# Altium PCB FPGA_PCB.PcbDoc (part 1 of 2)
Units mil, origin at the board's own origin, x right, y up, seen from the top; angles counter-clockwise.
Board outline 3305 x 2200 mil, 4 copper layers (Top Layer, GND01, GND02, Bottom Layer), stack 23.756 mil thick; 156 components, 167 nets, 703 pads, 250 vias.
Unrouted connection lines stored in the file: 49.
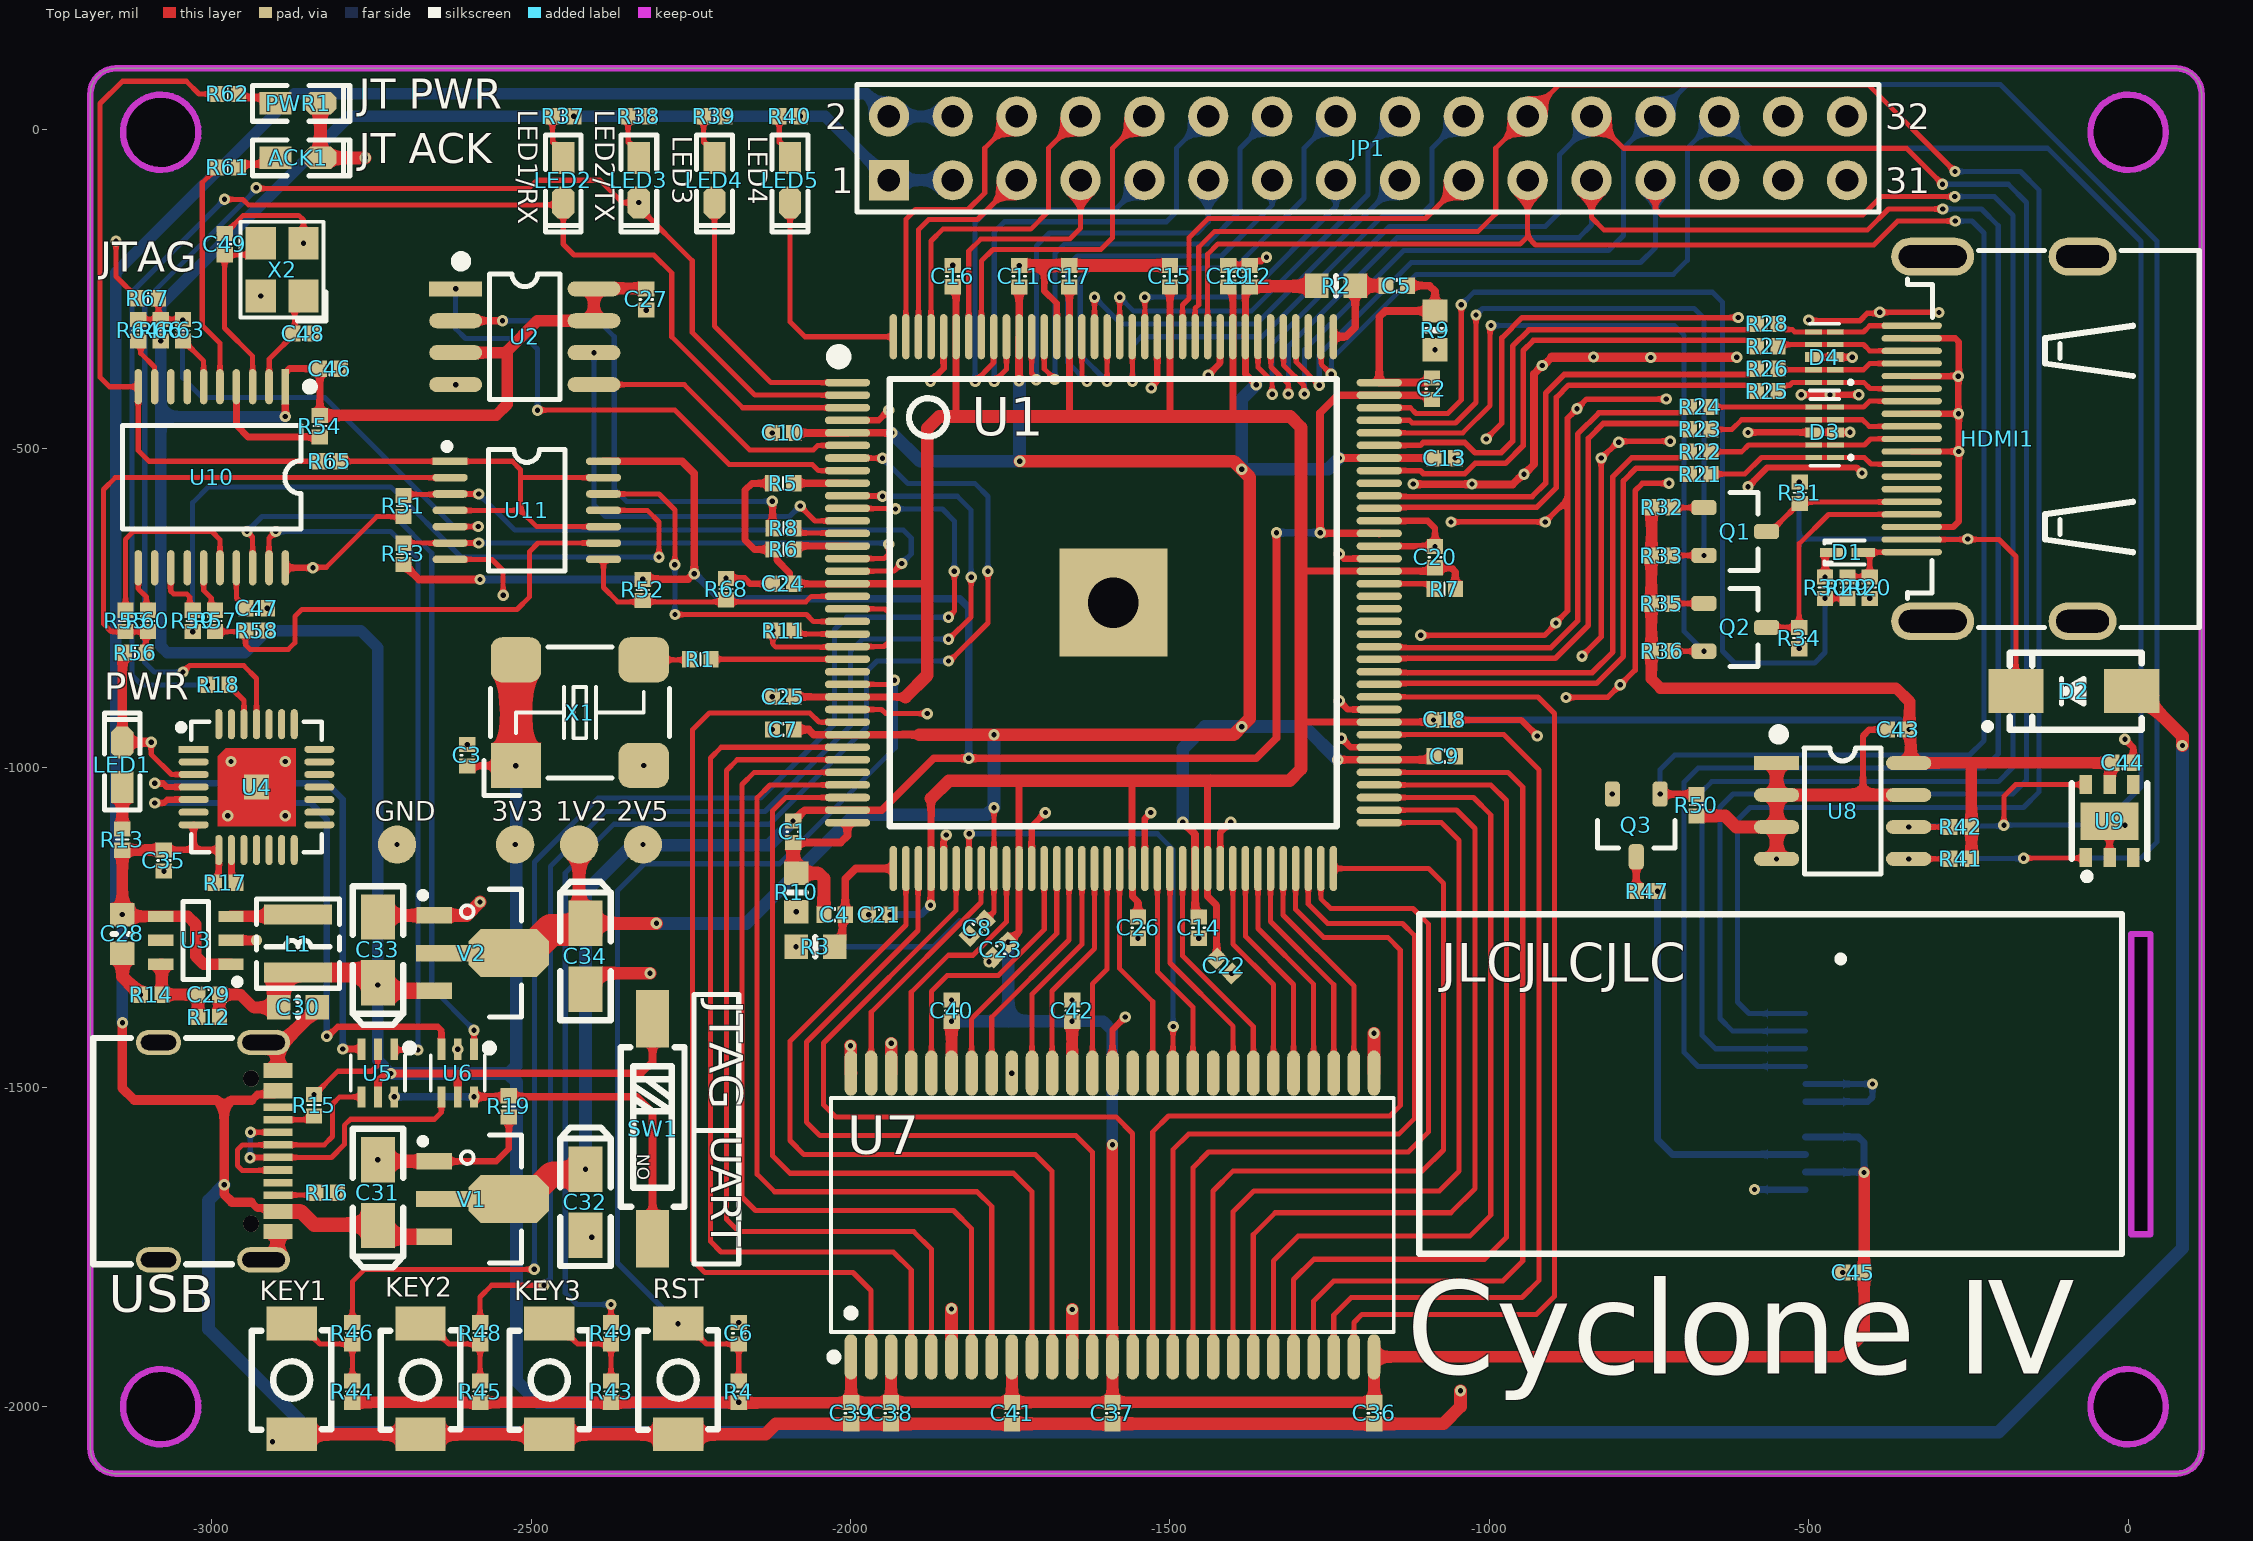
[diagram p0: Top Layer view]
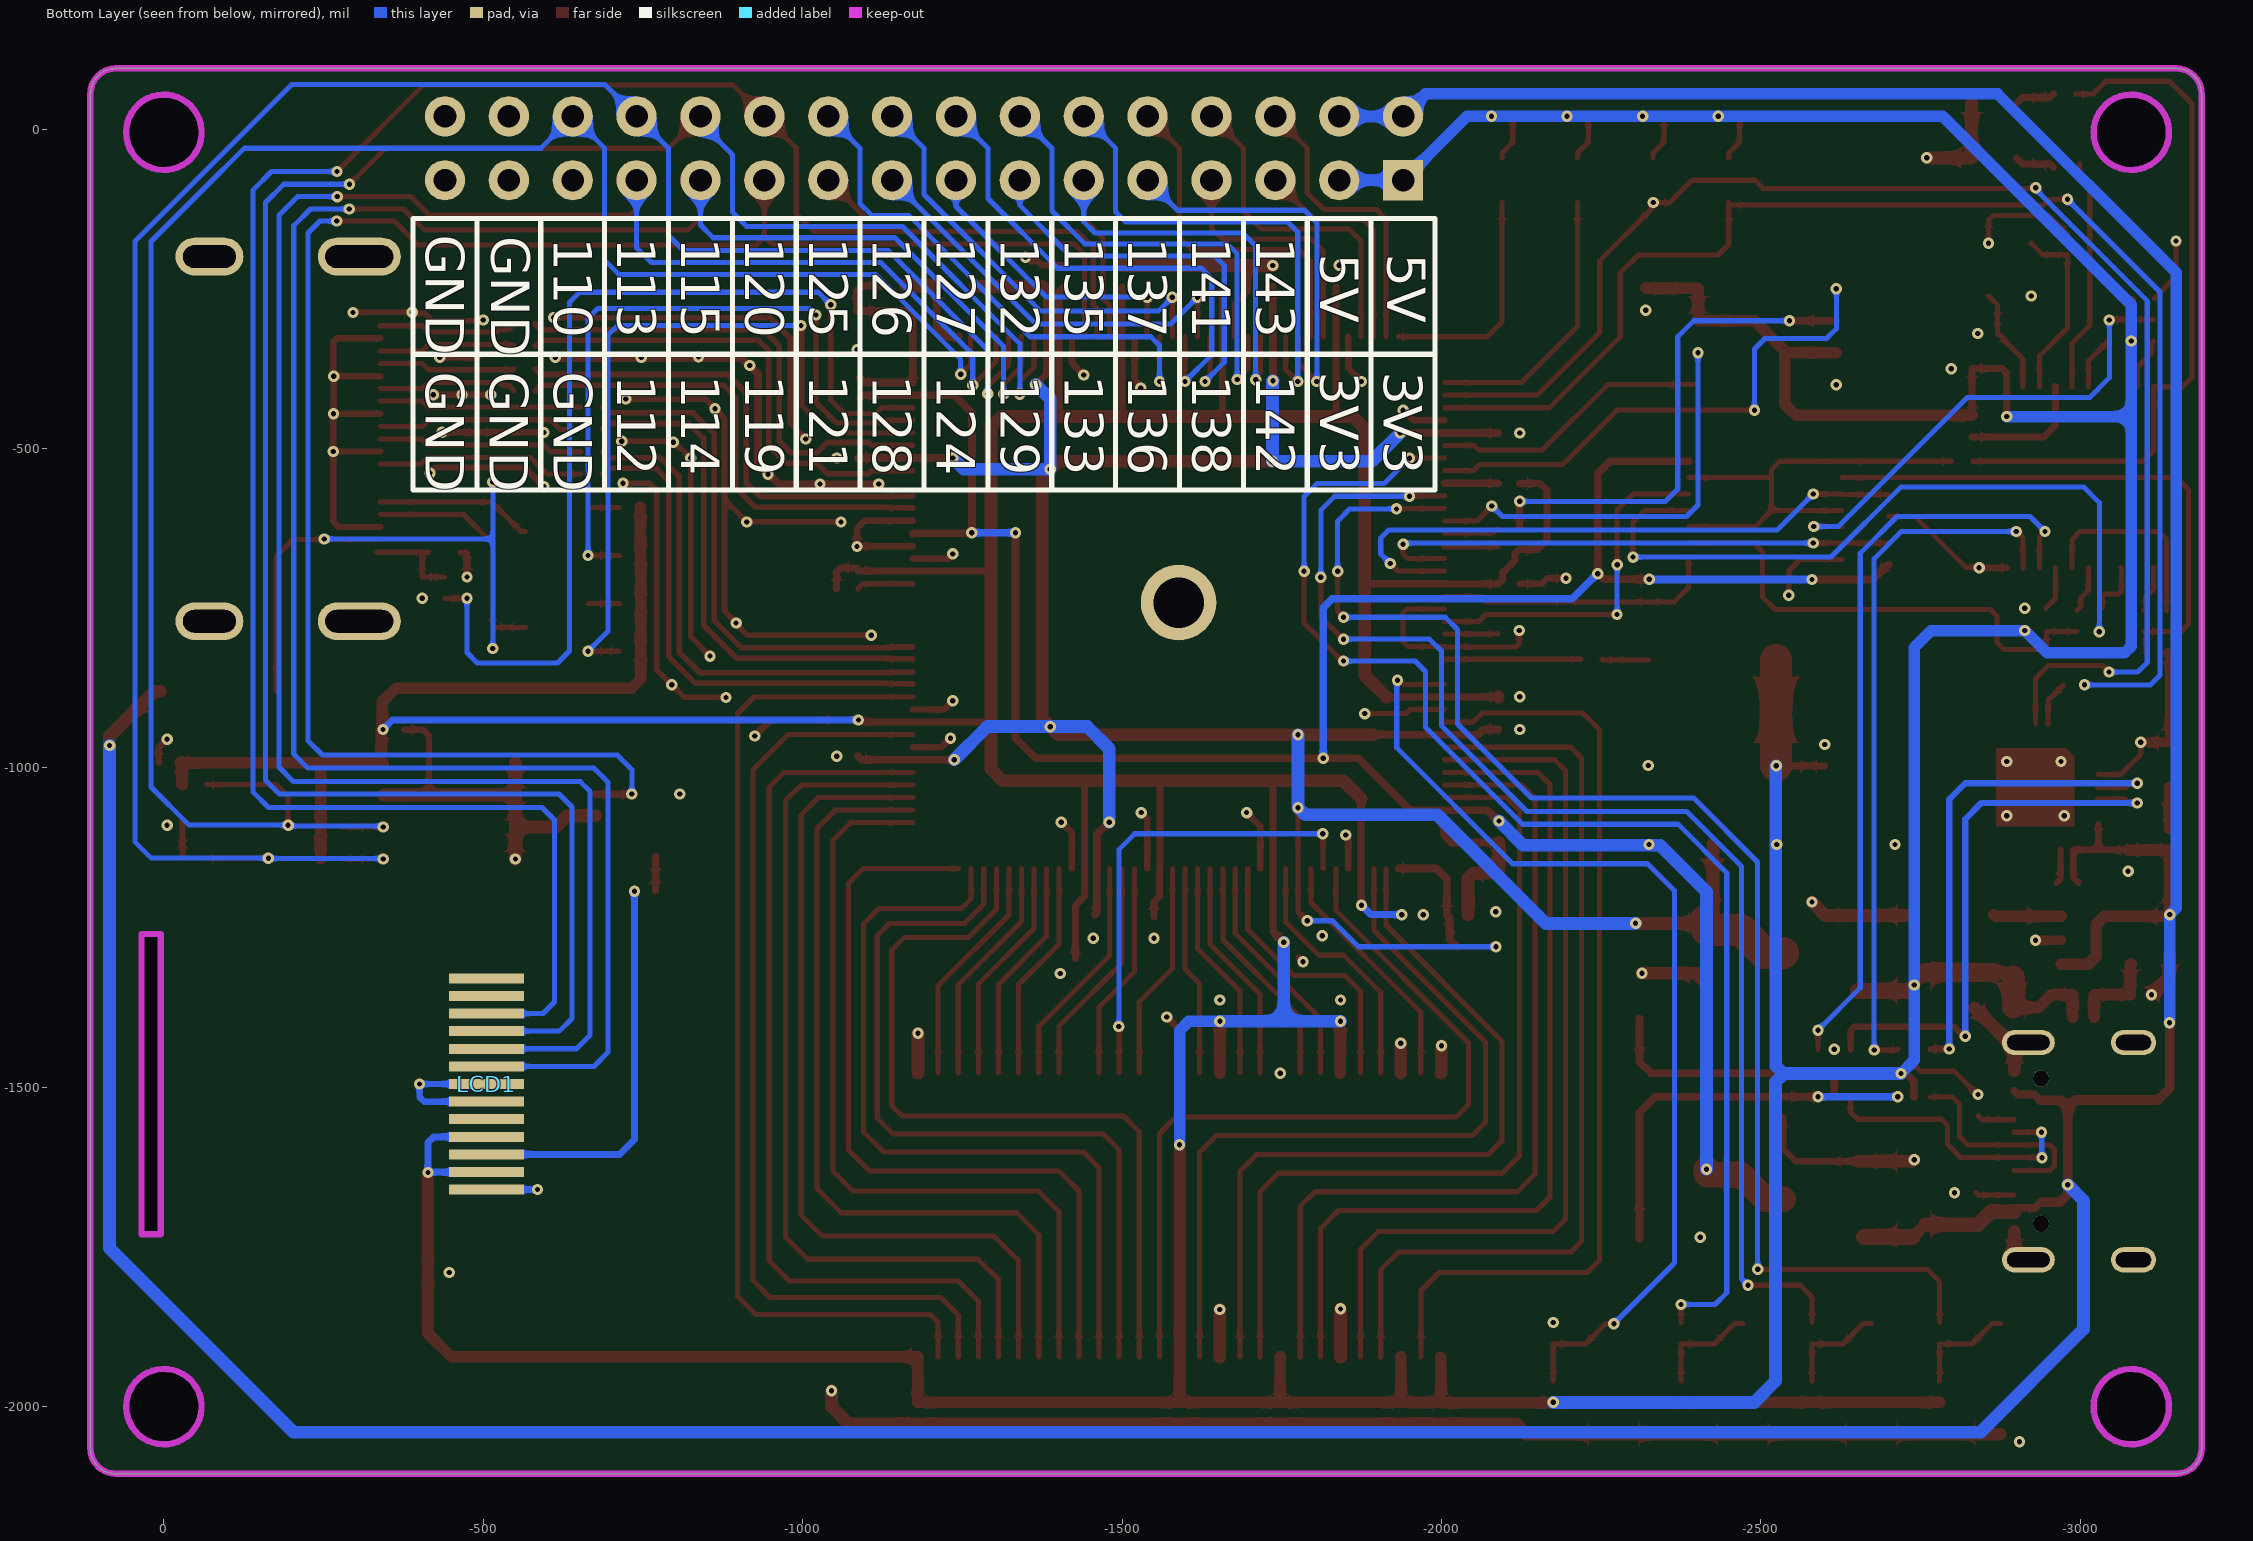
[diagram p1: Bottom Layer view, seen from below]
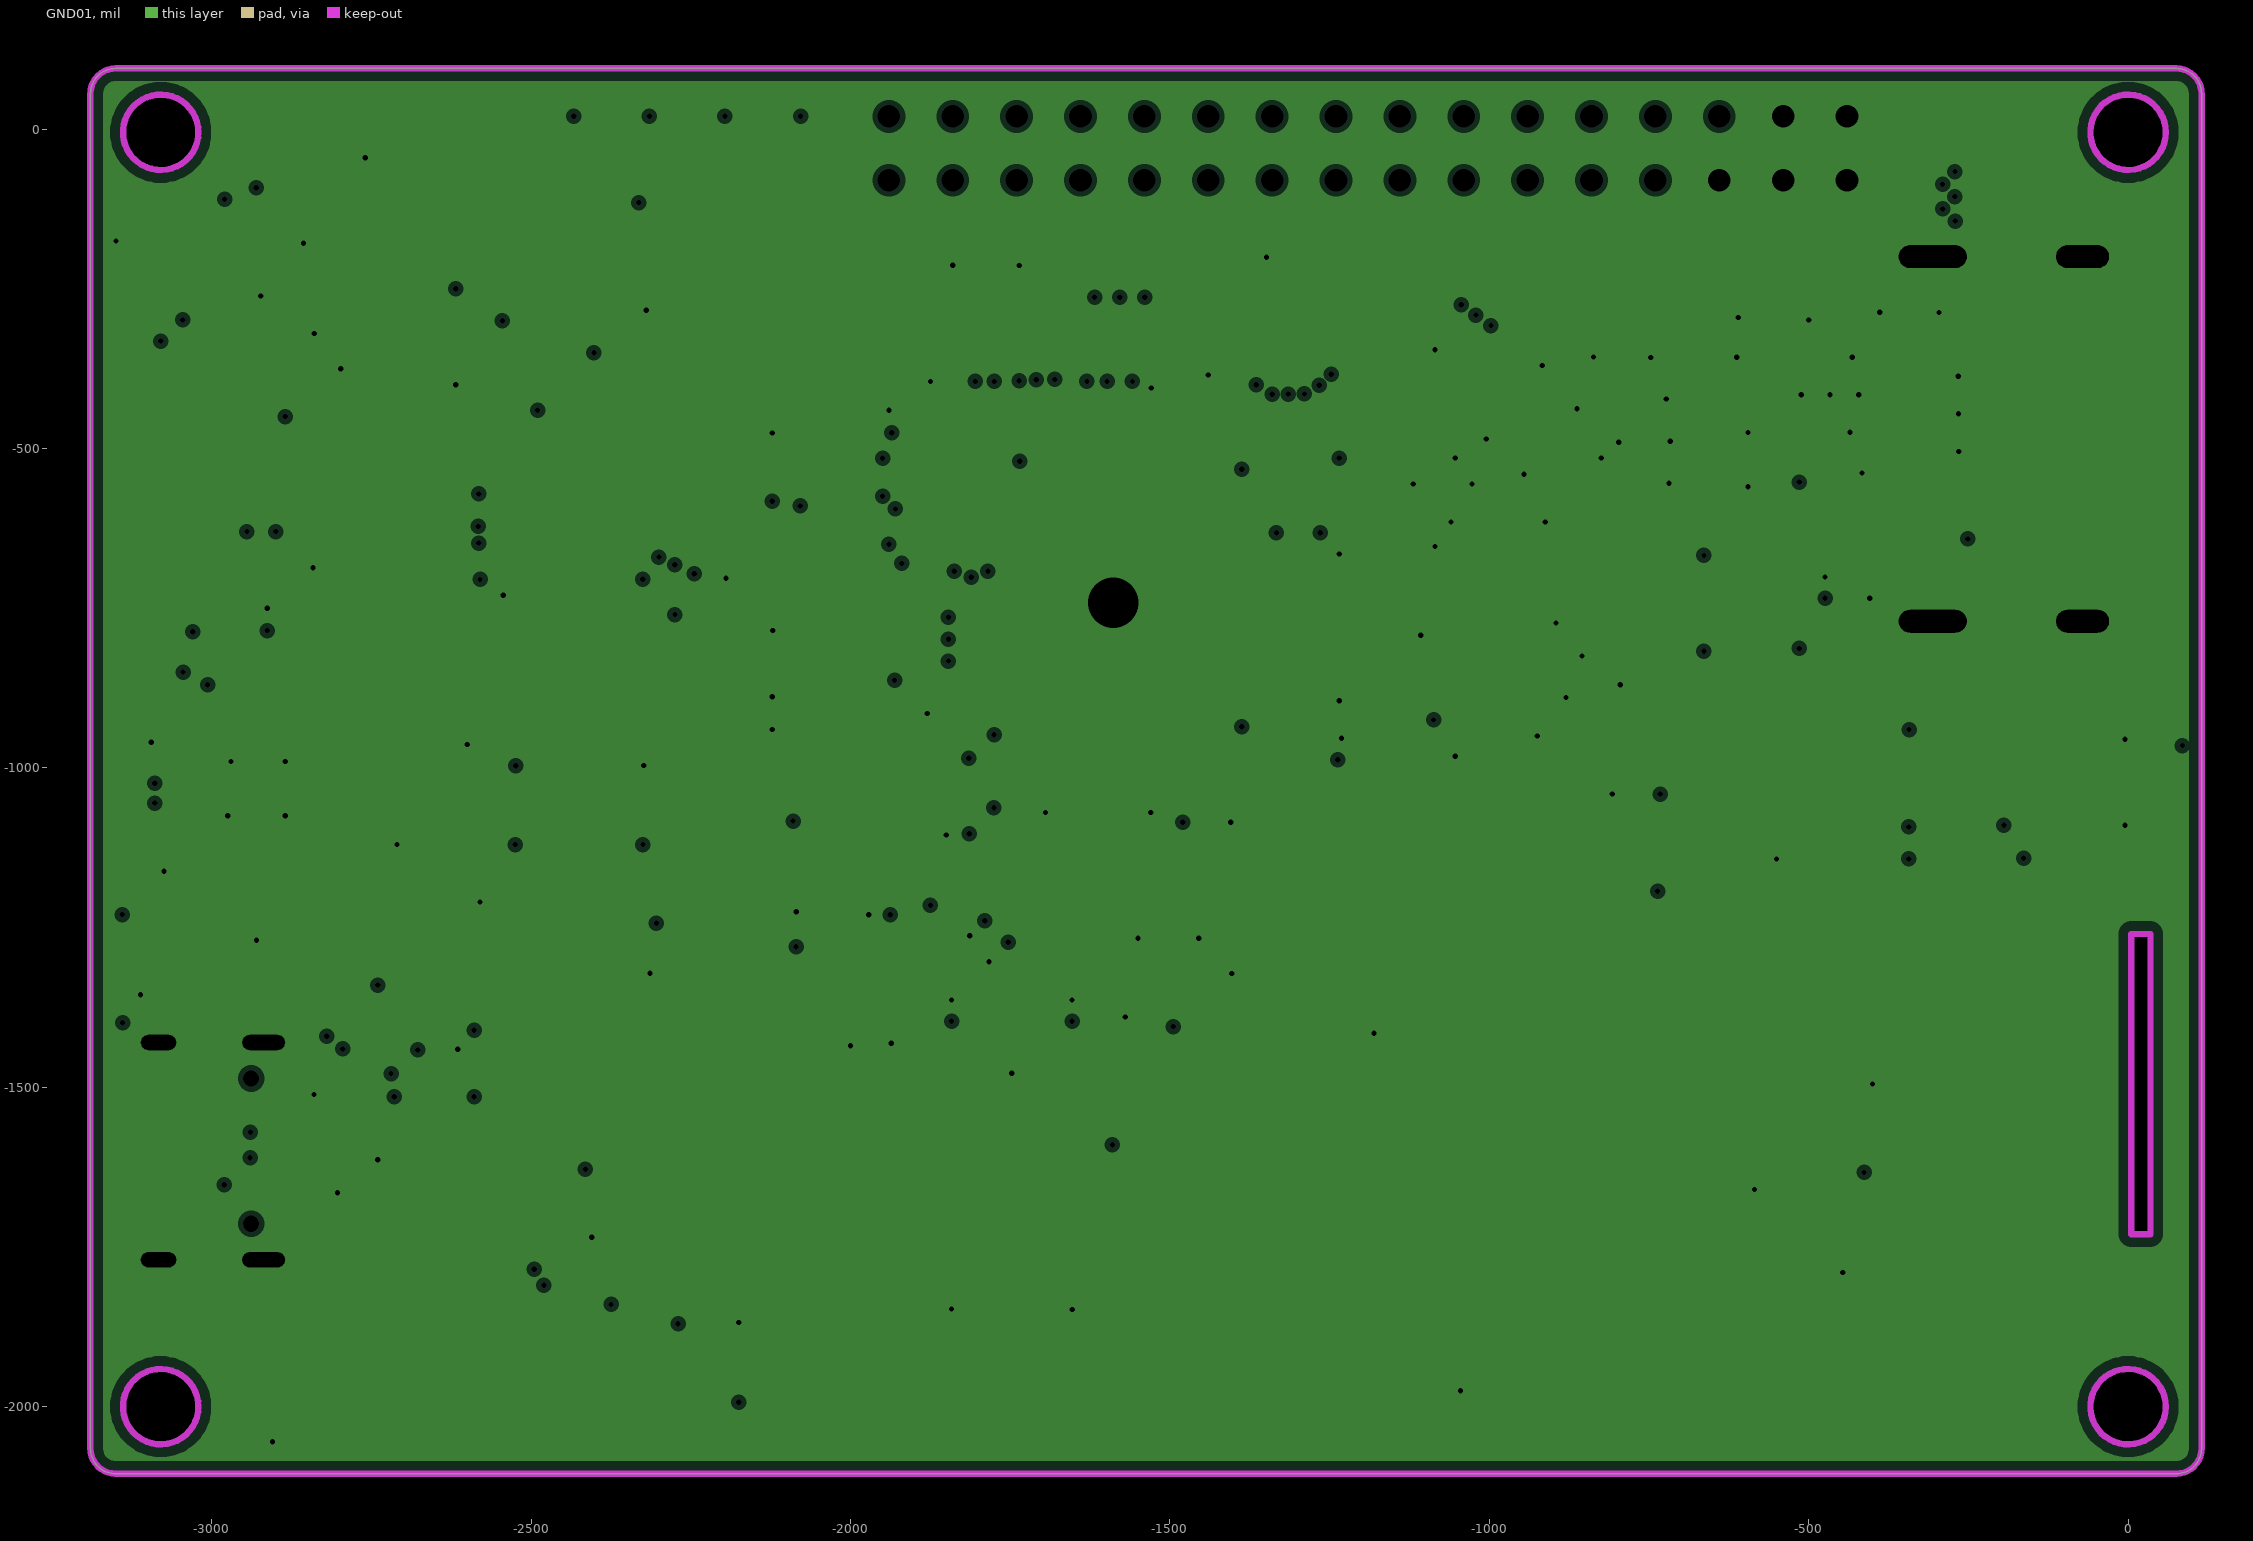
[diagram p2: GND01, clearances drawn from the general rule]
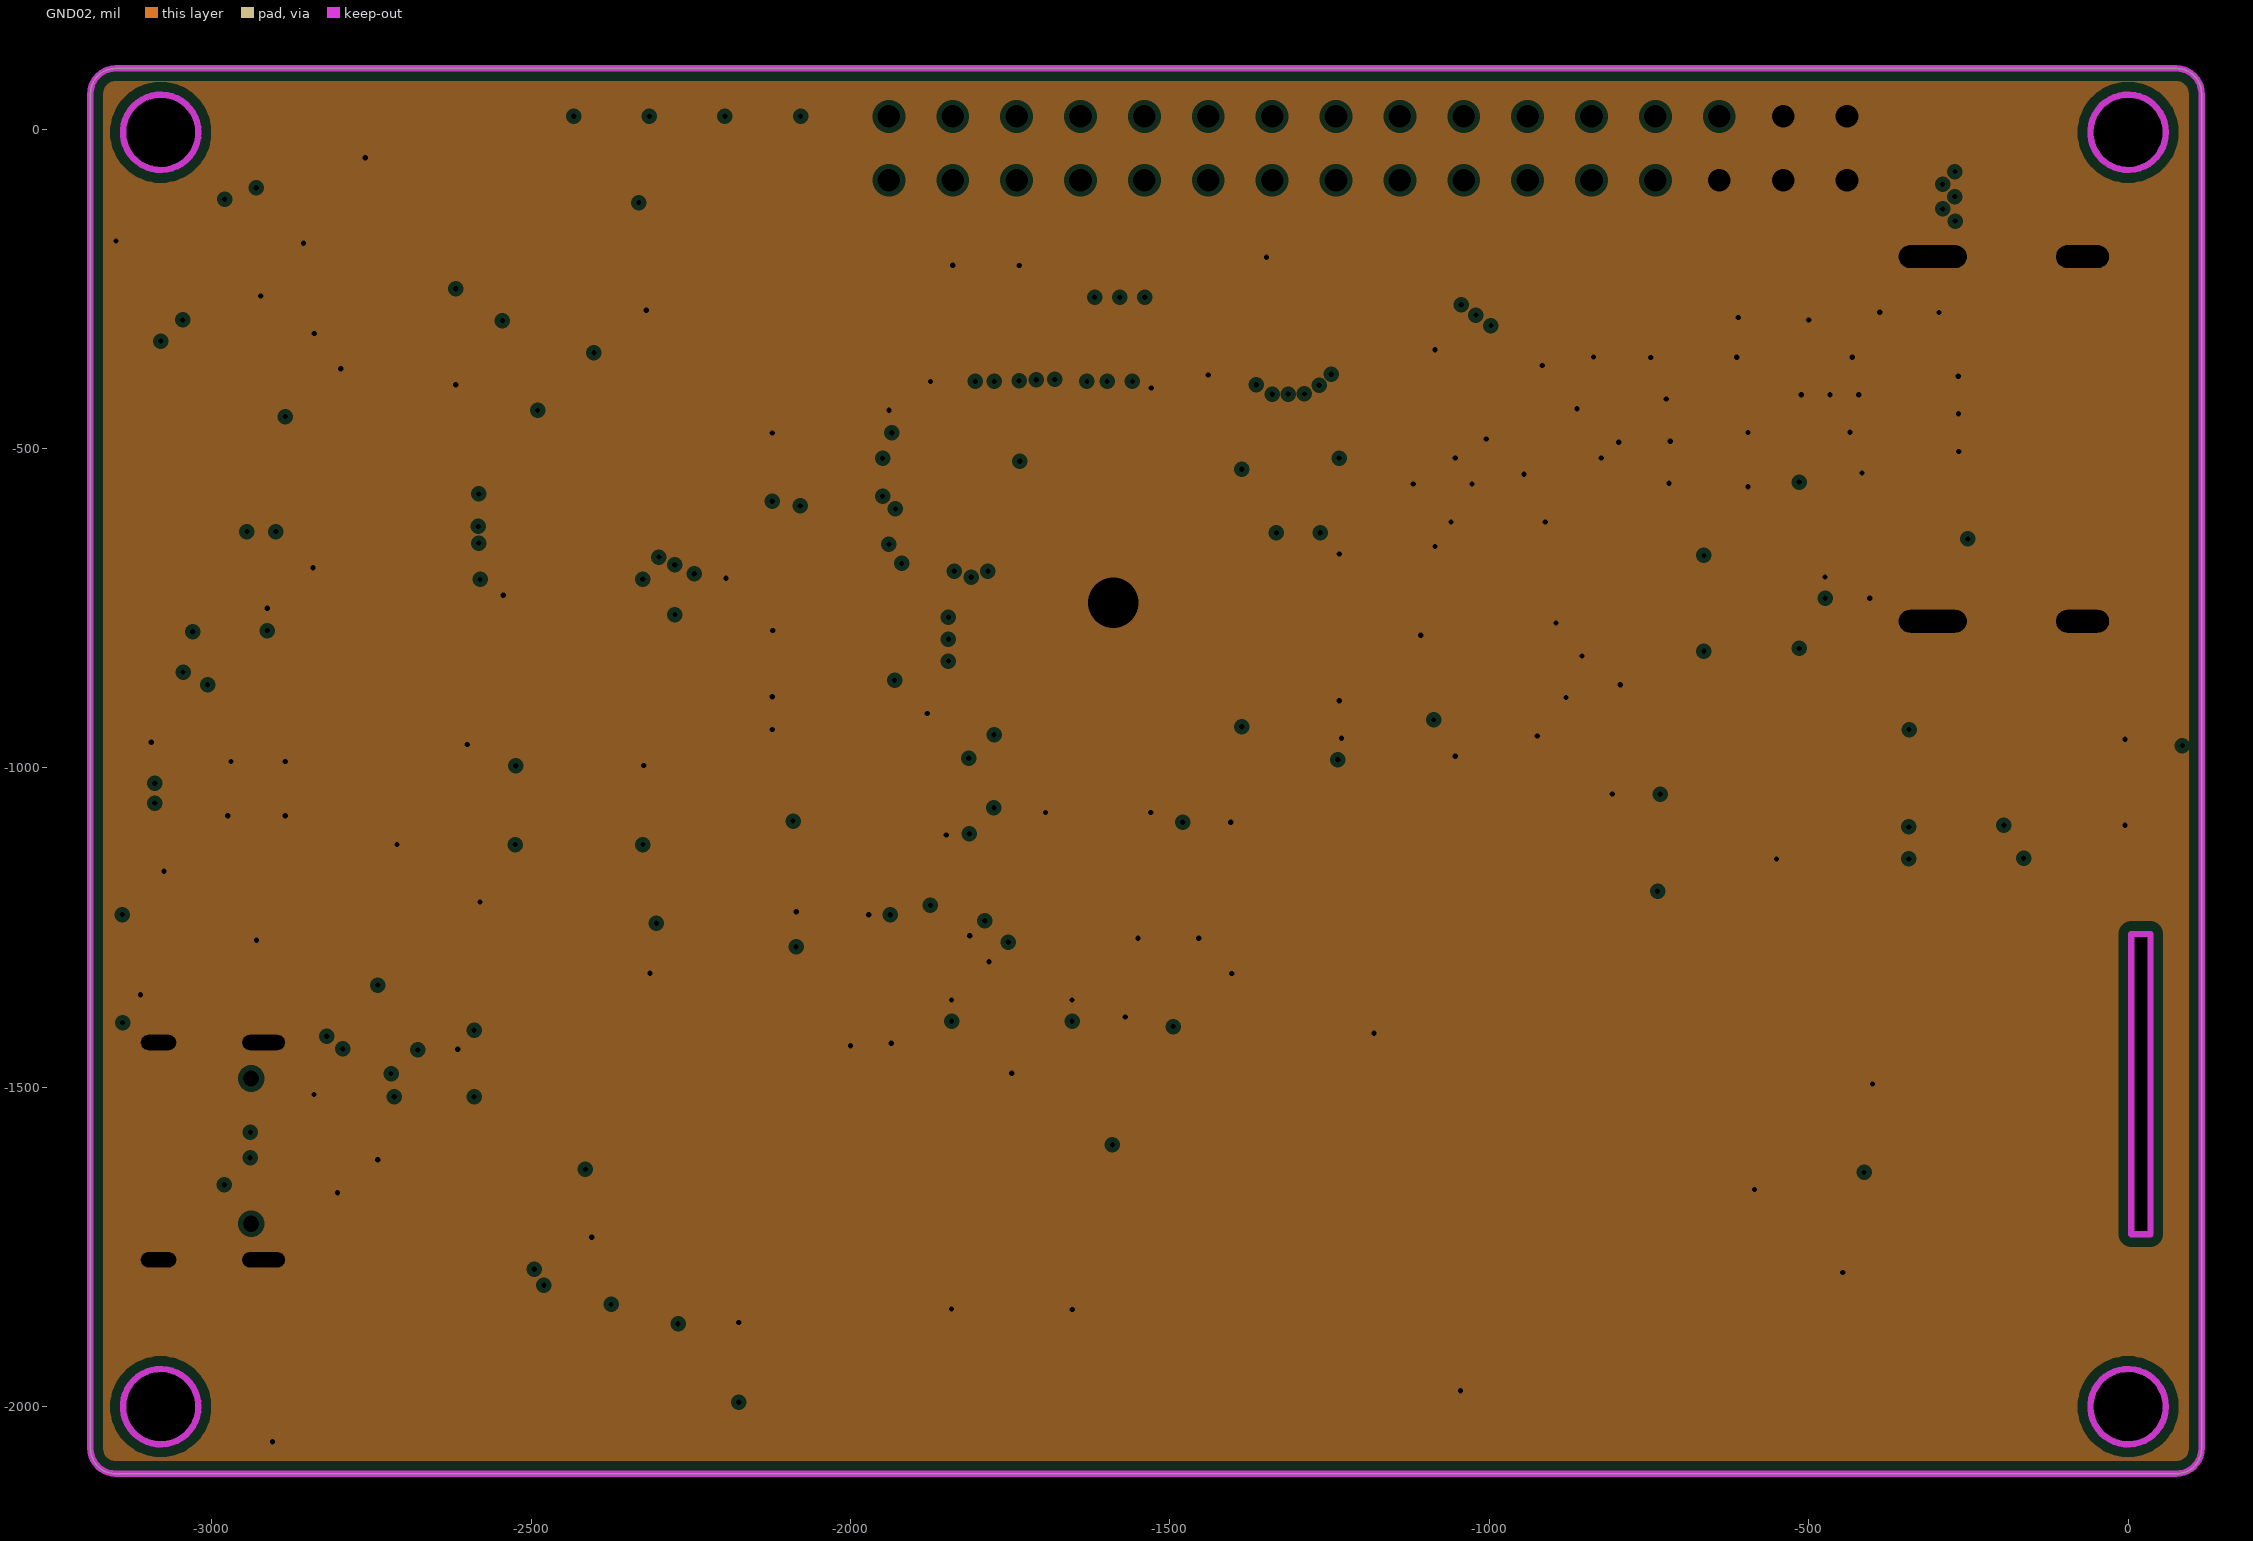
[diagram p3: GND02, clearances drawn from the general rule]

## Layer stack, top to bottom
Top Solder: solder mask 0.4, Solder Resist, Dk 3.5
Top Layer: signal copper 1.4
Dielectric 2: prepreg 2.8, PP-006, Dk 4.1
GND01: plane copper 1.378, net GND
Dielectric 1: dielectric 12.6, FR-4, Dk 4.8
GND02: plane copper 1.378, net GND
Dielectric 3: prepreg 2.8, PP-006, Dk 4.1
Bottom Layer: signal copper 1.4
Bottom Solder: solder mask 0.4, Solder Resist, Dk 3.5

## Board outline
-3190,-2065.63 ccw(c-3150.63,-2065.63) -3150.63,-2105 75.63,-2105 ccw(c75.63,-2065.63) 115,-2065.63 115,55.63 ccw(c75.63,55.63) 75.63,95 -3150.63,95 ccw(c-3150.63,55.63) -3190,55.63
cut-out: -3139.06,-2000 ccw(c-3080,-2000) -3080,-2059.06 ccw(c-3080,-2000) -3020.94,-2000 ccw(c-3080,-2000) -3080,-1940.94 ccw(c-3080,-2000)
cut-out: -59.06,-2000 ccw(c0,-2000) 0,-2059.06 ccw(c0,-2000) 59.06,-2000 ccw(c0,-2000) 0,-1940.94 ccw(c0,-2000)
cut-out: -59.06,-5 ccw(c0,-5) 0,-64.06 ccw(c0,-5) 59.06,-5 ccw(c0,-5) 0,54.06 ccw(c0,-5)
cut-out: -3080,-64.06 cw(c-3080,-5) -3139.06,-5 cw(c-3080,-5) -3080,54.06 cw(c-3080,-5) -3020.94,-5 cw(c-3080,-5)
cut-out: 5,-1730 5,-1260 35,-1260 35,-1730

## Design rules (kind name [scope] priority, off if disabled: settings)
Clearance [All] p1: gap=6 ignorepadtopadclearanceinfootprint=TRUE
DiffPairsRouting DiffPair_100DiffPairsRouting [InDifferentialPairClass('DIFF_100R')] p1: maxlimit=8 minlimit=8 mostfreqgap=8 toplayer_minwidth=8.68 toplayer_maxwidth=8.68 toplayer_prefwidth=8.68 bottomlayer_minwidth=8.68 bottomlayer_maxwidth=8.68 bottomlayer_prefwidth=8.68 maxuncoupledlength=500
DiffPairsRouting [All] p2: maxlimit=10 minlimit=10 mostfreqgap=10 toplayer_minwidth=15 toplayer_maxwidth=15 toplayer_prefwidth=15 bottomlayer_minwidth=15 bottomlayer_maxwidth=15 bottomlayer_prefwidth=15 maxuncoupledlength=500
HoleSize [All] p1: absolutevalues=TRUE maxlimit=500 minlimit=1 maxpercent=80.000 minpercent=20.000
HoleToHoleClearance [All] p1: gap=0 allowstackedmicrovias=TRUE
MatchedLengths DiffPair_100MatchedLengths [InDifferentialPairClass('DIFF_100R')] p1: tolerance=20 checknetsindiffpair=FALSE checkdiffpairvsdiffpair=TRUE checkxsignals=TRUE checkothers=TRUE
MinimumSolderMaskSliver [All] p1: minsoldermaskwidth=0
PlaneClearance [All] p1: clearance=8
PlaneConnect [All] p1: planeconnectstyle=Direct reliefexpansion=20 reliefentries=4 reliefconductorwidth=10 reliefairgap=10
PolygonConnect [All] p1: connectstyle=Direct reliefconductorwidth=10 reliefentries=4 polygonreliefangle="90 Angle" airgapwidth=10
RoutingVias [All] p1: holewidth=28 width=50 viastyle="Through Hole" minholewidth=28 minwidth=50 maxholewidth=28 maxwidth=50
SilkToSilkClearance [All] p1: silktosilkclearance=0
SilkToSolderMaskClearance [IsPad] p1: minsilkscreentomaskgap=0 clearancetoexposedcopper=TRUE
SolderMaskExpansion [All] p1: expansion=4 istentingtop=FALSE
Width [All] p1: maxlimit=100 minlimit=6 preferedwidth=10
22 further rules are at their usual default settings.

## Classes and differential pairs
differential pair class DIFF_100R: DIFFIO_R3 DIFFIO_R4 DIFFIO_R7 DIFFIO_R8
component class USB_Blaster: ACK1 C46 C47 C48 C49 PWR1 R51 R52 R53 R54 R55 R56 R57 R58 R59 R60 R61 R62 R63 R64 R65 R66 R67 R68 U10 U11 X2
component class Peripheral: C43 C44 C45 JP1 KEY1 KEY2 KEY3 LCD1 LED2 LED3 LED4 LED5 Q3 R37 R38 R39 R40 R41 R42 R43 R44 R45 R46 R47 R48 R49 R50 U8 U9
component class DDR_HDMI: C36 C37 C38 C39 C40 C41 C42 D1 D2 D3 D4 HDMI1 Q1 Q2 R20 R21 R22 R23 R24 R25 R26 R27 R28 R29 R30 R31 R32 R33 R34 R35 R36 U7
component class Power: C28 C29 C30 C31 C32 C33 C34 C35 L1 LED1 R12 R13 R14 R15 R16 R17 R18 R19 SW1 U3 U4 U5 U6 USB V1 V2
component class EP4CE6E22C8N: C1 C2 C3 C4 C5 C6 C7 C8 C9 C10 C11 C12 C13 C14 C15 C16 C17 C18 C19 C20 C21 C22 C23 C24 C25 C26 C27 R1 R2 R3 R4 R5 R6 R7 R8 R9 R10 R11 RST U1 U2 X1
differential pair DIFFIO_R8: +DIFFIO_R8_P -DIFFIO_R8_N
differential pair DIFFIO_R7: +DIFFIO_R7_P -DIFFIO_R7_N
differential pair DIFFIO_R4: +DIFFIO_R4_P -DIFFIO_R4_N
differential pair DIFFIO_R3: +DIFFIO_R3_P -DIFFIO_R3_N

## Components (designator, comment, footprint, x,y, rotation, side; value= is the part's Value field where it differs from the comment)
ACK1 "红色" "LED 0603G" -2865,-45.26 r0 top
C1 "0.1uF" 0402_C -2090,-1100 r90 top
C2 "0.1uF" 0402_C -1089.84,-406.61 r270 top
C3 "0.1uF" 0402_C -2600,-980 r270 top
C4 "0.1uF" 0402_C -2025,-1230 r0 top
C5 "0.1uF" 0402_C -1145,-245 r180 top
C6 "0.1uF" 0402_C -2175,-1885 r270 top
C7 "0.1uF" 0402_C -2105.75,-940 r0 top
C8 "0.1uF" 0402_C -1801.63,-1251.11 r45 top
C9 "0.1uF" 0402_C -1070,-981.99 r180 top
C10 "0.1uF" 0402_C -2105.75,-475.7 r0 top
C11 "0.1uF" 0402_C -1735.88,-230.13 r270 top
C12 "0.1uF" 0402_C -1375,-230.13 r270 top
C13 "0.1uF" 0402_C -1070,-515 r180 top
C14 "0.1uF" 0402_C -1455,-1250 r90 top
C15 "0.1uF" 0402_C -1500,-230.13 r270 top
C16 "0.1uF" 0402_C -1840,-230 r270 top
C17 "0.1uF" 0402_C -1657.44,-230.13 r270 top
C18 "0.1uF" 0402_C -1070,-925 r180 top
C19 "0.1uF" 0402_C -1408.74,-230.13 r270 top
C20 "0.1uF" 0402_C -1085,-670 r270 top
C21 "0.1uF" 0402_C -1955,-1230 r0 top
C22 "0.1uF" 0402_C -1415,-1310 r135 top
C23 "0.1uF" 0402_C -1765,-1285 r45 top
C24 "0.1uF" 0402_C -2105.75,-711.79 r0 top
C25 "0.1uF" 0402_C -2105.75,-888.83 r0 top
C26 "0.1uF" 0402_C -1550,-1250 r90 top
C27 "0.1uF" 0402_C -2320,-266.72 r90 top
C28 "22uF" "0603_C _MINI" -3140,-1260 r270 top
C29 "22pF" 0402_C -3005,-1355 r0 top
C30 "22uF" "0603_C _MINI" -2865,-1375 r180 top
C31 "22uF" CASE-A_3216 -2740,-1665 r270 top
C32 "22uF" CASE-A_3216 -2415,-1680 r90 top
C33 "22uF" CASE-A_3216 -2740,-1285 r270 top
C34 "22uF" CASE-A_3216 -2415,-1295 r90 top
C35 "0.1uF" 0402_C -3075,-1145 r270 top
C36 "0.1uF" 0402_C -1180,-2010 r90 top
C37 "0.1uF" 0402_C -1590,-2010 r90 top
C38 "0.1uF" 0402_C -1936.59,-2010 r90 top
C39 "0.1uF" 0402_C -1999.07,-2010 r90 top
C40 "0.1uF" 0402_C -1841.87,-1380 r270 top
C41 "0.1uF" 0402_C -1747.25,-2010 r90 top
C42 "0.1uF" 0402_C -1653.19,-1380 r270 top
C43 "0.1uF" 0402_C -360,-940 r0 top
C44 "0.1uF" 0402_C -8.62,-991.85 r180 top
C45 "0.1uF" 0402_C -430,-1790 r0 top
C46 "0.1uF" 0402_C -2815,-375 r0 top
C47 "0.1uF" 0402_C -2930,-750 r180 top
C48 "20pF" 0402_C -2856.54,-320 r180 top
C49 "20pF" 0402_C -2980,-180 r270 top
D1 "LESD5D5" SOD-523_L1.2-W0.8-LS1.6-RD -439.4,-662.78 r0 top
D2 "SS34" SMA -85,-880 r180 top
D3 "AZ1045-04F.R7G" DFN2510-10_L2.5-W1.0-P0.50-BL -475,-474.69 r90 top
D4 "AZ1045-04F.R7G" DFN2510-10_L2.5-W1.0-P0.50-BL -475.37,-357.03 r90 top
HDMI1 "HDMI-019S" HDMI-SMD_HDMI-019S -205,-485 r90 top
JP1 "Header 2X11" HDR2.54-LI-2x16P -1190,-30 r0 top
KEY1 "3x6x5" SW -2875,-2043.24 r90 top
KEY2 "3x6x5" SW -2673.33,-2043.24 r90 top
KEY3 "3x6x5" SW -2471.67,-2043.24 r90 top
L1 "2.2uH" NR3015 -2865,-1275 r90 top
LCD1 "0.96_TFT_LCD" 0.78_TFT_LCD -530,-1479.13 r90 top locked
LED1 "红色" "LED 0603R" -3140,-995 r90 top
LED2 "红色" "LED 0603B" -2450,-80 r270 top
LED3 "红色" "LED 0603G" -2331.67,-80 r270 top
LED4 "红色" "LED 0603R" -2213.33,-80 r270 top
LED5 "红色" "LED 0603R" -2095,-80 r270 top
PWR1 "红色" "LED 0603R" -2865,40 r0 top
Q1 "AO3400A" SOT23-3 -615,-630 r0 top
Q2 "AO3400A" SOT23-3 -615,-780 r0 top
Q3 "AO3400A" SOT23-3 -770,-1090 r270 top
R1 "33R" 0402_R -2235,-830 r0 top
R2 "0R" "0603_R _MINI" -1240,-245 r0 top
R3 "0R" "0603_R _MINI" -2055,-1280 r0 top
R4 "10K" 0402_R -2175,-1976.57 r270 top
R5 "10K" 0402_R -2105.75,-554.6 r0 top
R6 "10K" 0402_R -2105,-658 r0 top
R7 "10K" 0402_R -1070,-720 r180 top
R8 "33R" 0402_R -2105,-625 r180 top
R9 "0R" "0603_R _MINI" -1085,-315 r270 top
R10 "0R" "0603_R _MINI" -2085,-1195 r270 top
R11 "10K" 0402_R -2105,-785 r180 top
R12 "510K" 0402_R -3005,-1390 r0 top
R13 "2K" 0402_R -3140,-1112.24 r270 top
R14 "110K" 0402_R -3095,-1355 r0 top
R15 "5.1K" 0402_R -2840,-1528.08 r270 top
R16 "5.1K" 0402_R -2820,-1665 r0 top
R17 "10K" 0402_R -2979.03,-1179.86 r180 top
R18 "120R" 0402_R -2990,-870 r180 top
R19 "10K" 0402_R -2535,-1530 r90 top
R20 "10K" 0402_R -404.4,-717.78 r270 top
R21 "0R" 0402_R -670,-540 r180 top
R22 "0R" 0402_R -670,-505 r180 top
R23 "0R" 0402_R -670,-470 r180 top
R24 "0R" 0402_R -670,-435 r180 top
R25 "0R" 0402_R -565,-410 r180 top
R26 "0R" 0402_R -565,-375 r180 top